# Altium PCB CTRL V5.2.PcbDoc
Units mil, origin at the board's own origin, x right, y up, seen from the top; angles counter-clockwise.
Board outline 1988.19 x 1466.54 mil, 2 copper layers (Top Layer, Bottom Layer); 85 components, 71 nets, 377 pads, 119 vias.
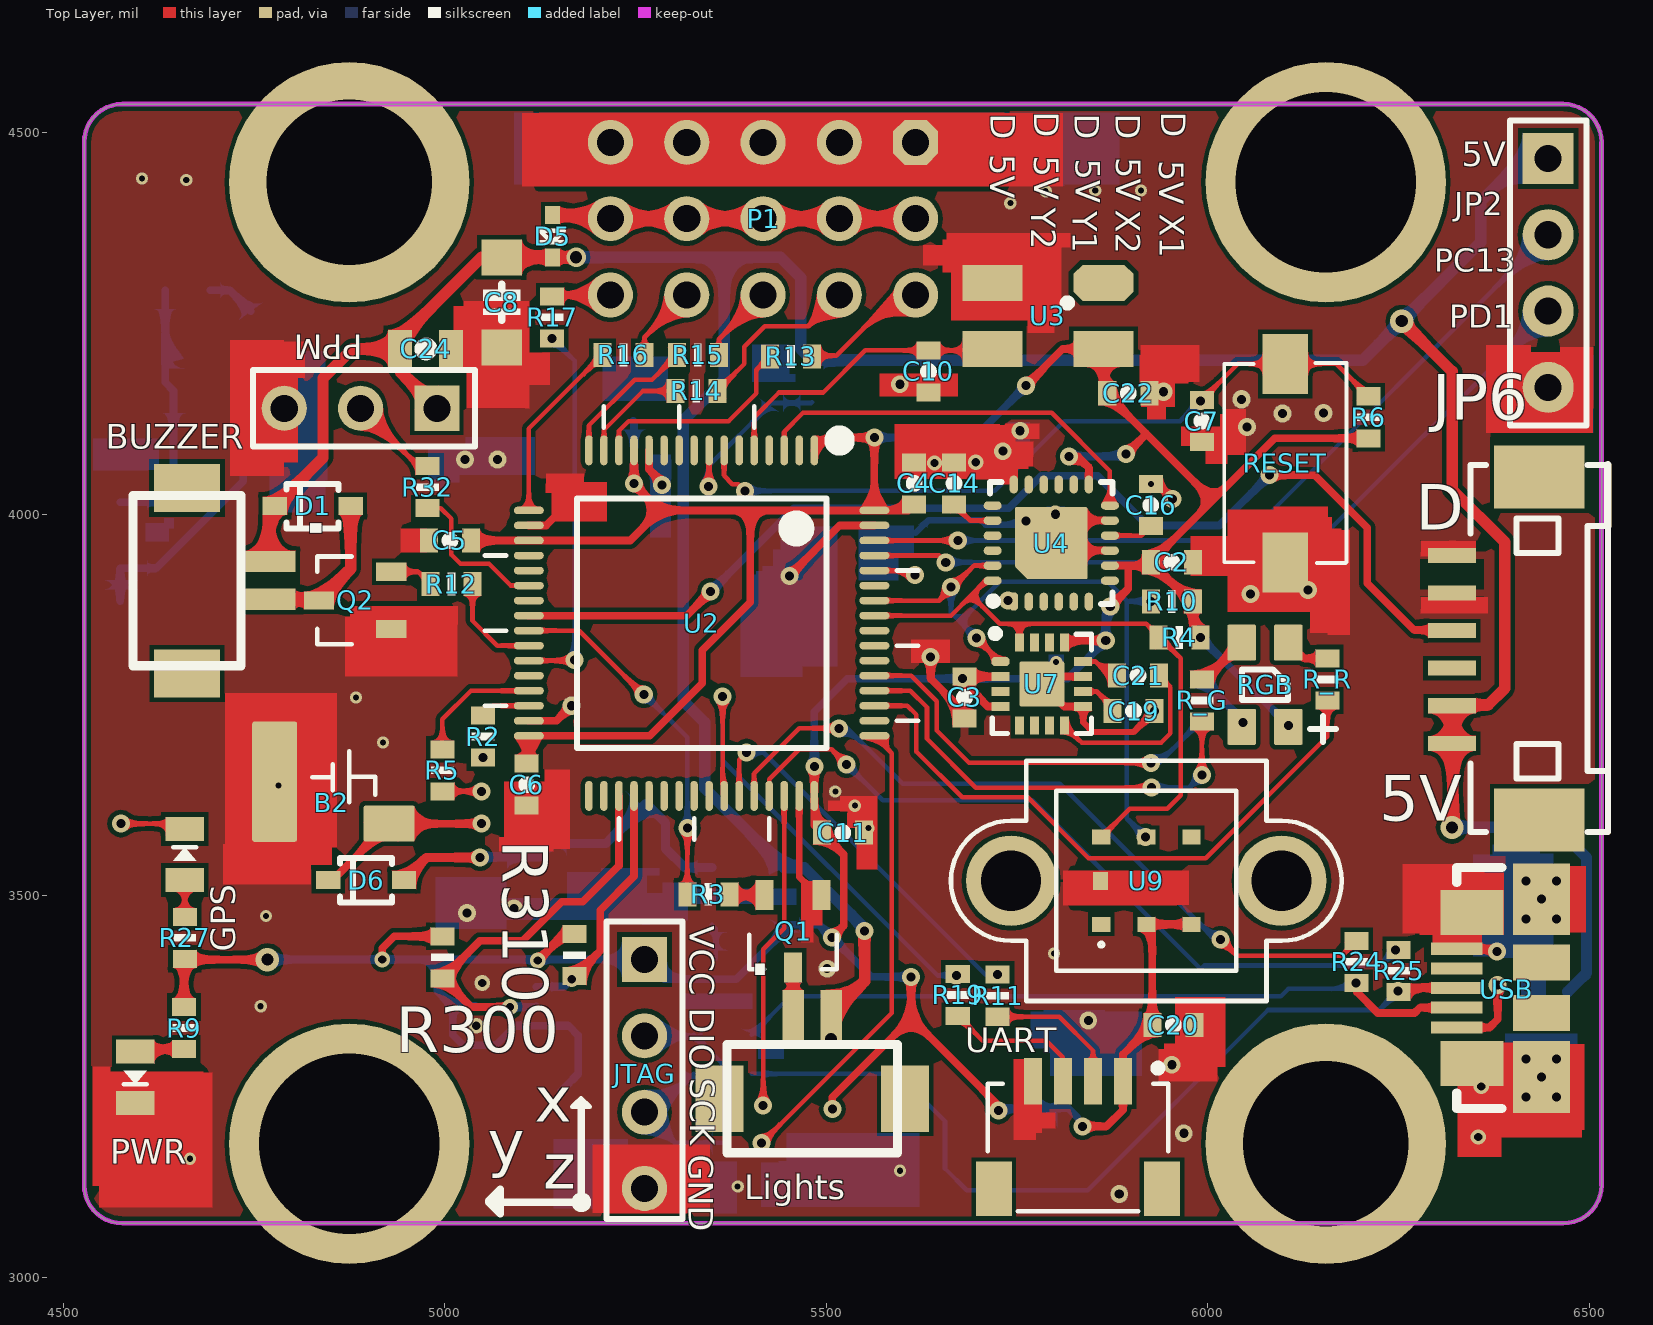
[diagram p0: Top Layer view]
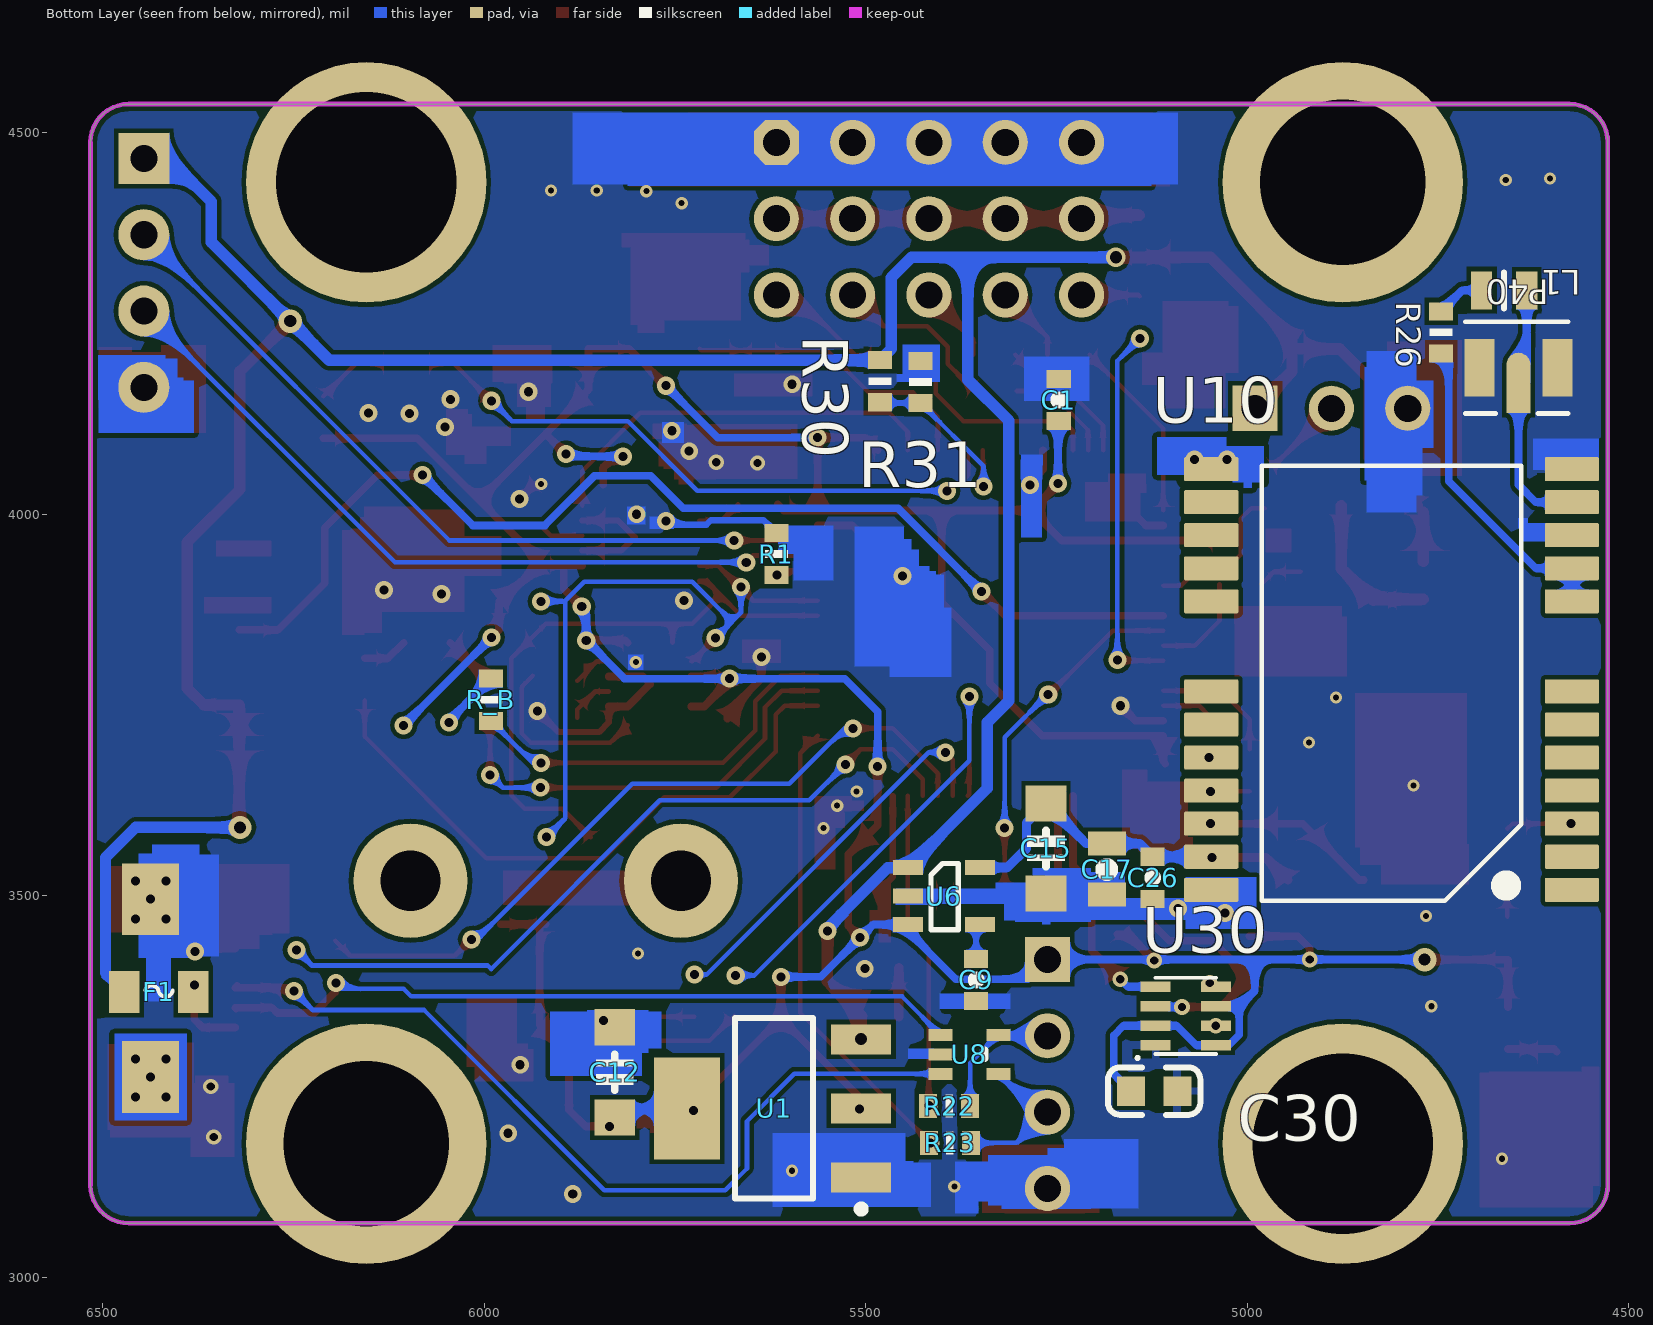
[diagram p1: Bottom Layer view, seen from below]

## Layer stack, top to bottom
Top Solder: solder mask 0.4, Solder Resist, Dk 3.5
Top Layer: signal copper 1.4
Dielectric1: dielectric 12.6, FR-4, Dk 4.8
Bottom Layer: signal copper 1.4
Bottom Solder: solder mask 0.4, Solder Resist, Dk 3.5

## Board outline
4527.56,3120.87 ccw(c4577.56,3120.87) 4577.56,3070.87 6465.75,3070.87 ccw(c6465.75,3120.87) 6515.75,3120.87 6515.75,4487.4 ccw(c6465.75,4487.4) 6465.75,4537.4 4577.56,4537.4 ccw(c4577.56,4487.4) 4527.56,4487.4

## Design rules (kind name [scope] priority, off if disabled: settings)
Clearance [All] p1: gap=6
ComponentClearance [All] p1: gap=1 collisioncheckmode=3 verticalgap=1 showdistances=FALSE
HoleSize [All] p1: absolutevalues=TRUE maxlimit=500 minlimit=1 maxpercent=80.000 minpercent=20.000
PolygonConnect IPEX [InComponent('P40')] p1: connectstyle=Direct reliefconductorwidth=10 reliefentries=4 polygonreliefangle="90 Angle" airgapwidth=10
PolygonConnect via [isvia] p2: connectstyle=Direct reliefconductorwidth=10 reliefentries=4 polygonreliefangle="90 Angle" airgapwidth=10
PolygonConnect [All] p3: connectstyle=Relief reliefconductorwidth=10 reliefentries=4 polygonreliefangle="90 Angle" airgapwidth=10
RoutingVias [All] p1: holewidth=11.81 width=23.62 viastyle="Through Hole" minholewidth=6.81 minwidth=10.62 maxholewidth=20.81 maxwidth=50.62
SolderMaskExpansion [All] p1: expansion=4
Width 5V [InNet('5V')] p1: maxlimit=15 minlimit=8 preferedwidth=10
Width PURE3V3 [InNet('PURE_3V3')] p2: maxlimit=15 minlimit=8 preferedwidth=10
Width 3V3 [InNet('3V3')] p3: maxlimit=20 minlimit=6 preferedwidth=8
Width [All] p4: maxlimit=157.48 minlimit=6 preferedwidth=6
28 further rules are at their usual default settings.

## Components (designator, comment, footprint, x,y, rotation, side; value= is the part's Value field where it differs from the comment)
B2 "XH414" XH414 4846.17,3667.49 r90 top
BUZZER "DF13C-2P" DF13C-2P-1.25V 4733.27,3913.39 r270 top
C1 "0.1uF" 0603-CAP 5247.05,4149.61 r90 bottom
C2 "0.1uF" 0603-CAP 5952.76,3937.01 r0 top
C3 "0.1uF" 0603-CAP 5681.1,3759.84 r90 top
C4 "0.1uF" 0603-CAP 5615.16,4040.35 r270 top
C5 "0.1uF" 0603-CAP 5006.89,3965.55 r0 top
C6 "0.1uF" 0603-CAP 5107.28,3645.67 r270 top
C7 "0.1uF" 0603-CAP 5992.13,4122.05 r90 top
C8 "10uF" TAJ-A(1206)[3216] 5074.8,4277.56 r270 top
C9 "0.1uF" 0603-CAP 5355.31,3389.76 r270 bottom
C10 "22pF" 0603-CAP 5633.86,4187.01 r90 top
C11 "0.1uF" 0603-CAP 5521.65,3582.68 r180 top
C12 "10uF" TAJ-A(1206)[3216] 5828.74,3268.7 r90 bottom
C14 "0.1uF" 0603-CAP 5667.32,4040.35 r90 top
C15 "10uF" TAJ-A(1206)[3216] 5263.78,3562.01 r270 bottom
C16 "0.1uF" 0603-CAP 5925.2,4011.81 r90 top
C17 "1uF" 0805-CAP 5184.06,3534.45 r90 bottom
C19 "0.1uF" 0603-CAP 5902.56,3742.12 r180 top
C20 "0.1uF" 0603-CAP 5954.72,3330.71 r180 top
C21 "0.1uF" 0603-CAP 5908.46,3788.39 r180 top
C22 "0.1uF" 0603-CAP 5895.67,4158.46 r180 top
C24 "0.1uF" 0805-CAP 4975.39,4216.54 r180 top
C26 "0.1uF" 0603-CAP 5124.02,3523.62 r90 bottom
C30 "C_0603" C_0603 5122.05,3244.09 r180 bottom
D1 "IN5819" SOD-323 4826.77,4010.83 r180 top
D5 "1N4148" SOD-523 5140.75,4364.17 r270 top
D6 "SOD-323" SOD-323 4896.65,3520.67 r180 top
F1 "FUSE" 0805-FUS 6426.18,3374.02 r180 bottom
GPS "LED" 0805-LED 4659.45,3554.6 r270 top
JP2 "HDR-1X4" HDR-1X4 6445.87,4466.14 r270 top
JP6 "HDR-1X6" "TX1.25 SMD-4P" 6434.06,3773.62 r90 top
JTAG "PIN HDR 1x4" PIN4*1 5261.81,3416.54 r270 top
L1 "value" 0805-IND 4663.39,4293.31 r180 bottom
Lights "DF13C-2P" DF13C-2P-1.25V 5481.3,3305.12 r0 top
P1 "PIN3X5" "PIN HDR3X5" 5617.13,4487.2 r180 top
P40 "IPEX" IPEX 4644.69,4191.93 r270 bottom
PPM "PIN HDR 1X3" PIN3*1 4989.76,4138.78 r180 top
PWR "LED" 0805-LED 4594.49,3261.81 r90 top
Q1 "2N3904" SOT-23 5456.69,3453.74 r180 top
Q2 "2N3904" SOT-23 4882.87,3886.81 r90 top
R1 "10K" 0603-Res 5617.13,3947.83 r270 bottom
R2 "510" 0603-Res 5050.2,3708.66 r270 top
R3 "10K" 0603-Res 5345.47,3501.97 r0 top
R4 "2.2K" 0603-Res 5962.6,3838.58 r0 top
R5 "510" 0603-Res 4997.05,3664.37 r270 top
R6 "10K" 0603-Res 6210.63,4126.97 r90 top
R9 "220" 0603-Res 4658.47,3326.77 r270 top
R10 "2.2K" 0603-Res 5952.76,3885.83 r0 top
R11 "22" 0603-Res 5724.41,3369.09 r90 top
R12 "10K" 0603-Res 5008.86,3908.46 r0 top
R13 "220" 0603-Res 5453.74,4206.69 r180 top
R14 "220" 0603-Res 5329.72,4161.42 r180 top
R15 "220" 0603-Res 5331.69,4208.66 r180 top
R16 "220" 0603-Res 5234.25,4208.66 r180 top
R17 "220" 0603-Res 5140.75,4257.87 r270 top
R19 "22" 0603-Res 5672.24,3370.08 r90 top
R22 "22" 0603-Res 5390.75,3224.41 r0 bottom
R23 "22" 0603-Res 5389.76,3176.18 r0 bottom
R24 "22" 0603-Res 6194.88,3413.39 r90 top
R25 "22" 0603-Res 6250,3401.57 r90 top
R26 "100" 0603-Res 4746.06,4238.19 r90 bottom
R27 "200" 0603-Res 4659.45,3444.88 r270 top
R30 "3.3K" 0603-Res 5481.3,4174.21 r270 bottom
R31 "1.7K" 0603-Res 5428.15,4173.23 r90 bottom
R32 "22" 0603-Res 4977.36,4035.43 r90 top
R300 "2.2K" 0603-Res 4997.05,3419.29 r90 top
R310 "2.2K" 0603-Res 5170.28,3422.24 r90 top
R_B "220" 0603-Res 5991.14,3756.89 r270 bottom
R_G "220" 0603-Res 5992.13,3755.91 r270 top
R_R "470" 0603-Res 6156.5,3783.46 r270 top
RESET "KEY_2PIN" KEY-SMD-2P-1 6101.38,4066.93 r90 top
RGB "3528LED" 1210-RGBLED 6074.8,3776.58 r90 top
U1 "AMS1117-3.3" SOT-223 5620.08,3221.46 r90 bottom
U2 "STM32F103RCT6" LQFP-64-S 5336.61,3857.28 r180 top
U3 "5032-8M" XTAL-5032-4P 5760.83,4196.85 r180 top
U4 "MPU6050" QFN-24 5794.78,3962.1 r0 top
U6 "RT9193" SOT23-5 5394.69,3499.02 r270 bottom
U7 "HMC5883" QFN-16-L 5782.48,3777.56 r270 top
U8 "ESDA6V1W5(Eb1)" SOT323-5L 5364.17,3292.32 r270 bottom
U9 "BMP180" BMP180-WITHSHELL 5919.29,3519.68 r90 top
U10 "NEO-6" NEO-6 4811.02,3783.46 r90 bottom
U30 "FBM320\BMP280\SPL06" LGA-2_5X2MM 5080.71,3342.52 r0 bottom
UART "SH1.0-4P" "SH1.0 S-W-4P" 5829.72,3086.61 r0 top
USB "USB-MICRO" USB_MICRO 6437.01,3379.43 r180 top

## Footprints (in the part's own frame and the unit in brackets; to place one, negate y for a bottom-side part, rotate by r counter-clockwise, add the part's x,y. Pads: shape width x height; smd on the part's side, far side on the other; paste and mask are expansions set on the pad)
0603-CAP [mm] "0603[1608]-CAP"
  rect 0.6x0.8 smd: 1(-0.7,0) 2(0.7,0)
  silkscreen extent -0.13,-0.13 0.13,0.13, body extent -0.8,-0.4 0.8,0.4, height 0.8
0603-Res [mm] "贴片电阻0603"
  rect 0.6x0.8 smd: 1(-0.7,0) 2(0.7,0)
  silkscreen extent -0.13,-0.38 0.13,0.38, body extent -0.8,-0.4 0.8,0.4, height 0.45
0805-CAP [mm] "无极性电容"
  rect 0.8x1.27 smd: 1(-0.838,0) 2(0.862,0)
  silkscreen extent -0.13,-0.13 0.13,0.13, body extent -1,-0.61 1,0.59, height 0.95
0805-FUS [mil] "贴片保险丝"
  rect 40x55 smd: 1(-45,0) 2(45,0)
  silkscreen extent -18,-6 18,8, body extent -39,-24 39,24, height 20
0805-IND [mm] "贴片电阻0805"
  rect 0.7x1.27 smd: 1(-0.75,0) 2(0.75,0)
  silkscreen extent 0,-0.6 0,0.6, body extent -1,-0.6 1,0.6, height 1
0805-LED [mm] "贴片LED0805"
  rect 0.8x1.27 smd: A(0.862,0) C(-0.838,0)
  silkscreen extent -0.23,-0.38 0.23,0.38, body extent -1.01,-0.62 1.01,0.63, height 1.1
1210-RGBLED [mm] "3528/1210/3225-4PinRGB"
  rrect10% 1.2x0.95 smd: B(-1.4,0.775) G(1.4,0.775) R(1.4,-0.775) VCC(-1.4,-0.775)
  silkscreen extent -1.9,-2.36 0.51,0.76, body extent -1.75,-1.4 1.75,1.4, height 1.9
BMP180-WITHSHELL [mm]
  round 3 / inner round 3 / far side round 3.8 hole 2 unplated: 0(0,4.5) 0(0,-4.5)
  rect 0.5x0.6 smd: 1(-1.45,1.5) 2(-1.45,0) 3(-1.45,-1.5) 4(1.45,-1.5) 5(1.45,0) 6(1.45,1.5)
  rect 0.6x0.5 smd: 7(0,1.525)
  silkscreen extent -4,-6.5 4,6.5, body extent -4,-6.48 4,6.48, height 3
C_0603 [mm]
  rect 0.93x0.98 smd: 1(-0.77,0) 2(0.77,0)
  silkscreen extent -1.53,-0.79 1.54,0.79, body extent -0.8,-0.4 0.8,0.4, height 0.3
DF13C-2P-1.25V [mil] "DF13C-2P-1.25V"
  rect 28x71 smd: 1(-24.61,36) 2(25,36)
  rect 63x87 smd: M$0(122,-70.87) M$1(-121.06,-70.87)
  silkscreen extent -111,-142 112,0, body extent -141,-200 141,56, height 141
HDR-1X4 [mm] "排针，4脚"
  rect 1.7x1.7 hole 0.9: 1(0,0)
  round 1.7 hole 0.9: 2(2.54,0) 3(5.08,0) 4(7.62,0)
  silkscreen extent -1.27,-1.27 8.89,1.27, body extent -1.27,-1.27 8.89,1.27, height 8.5
IPEX [mm] "IPEX天线座"
  oval 1x0.8 smd: ANT(0,0)
  rect 1.5x0.8 smd: ANT(0.762,0)
  rect 1.9x1 smd: GND(0,-1.3) GND(0,1.3)
  silkscreen extent -1.52,-1.78 1.52,1.65, body extent -1.55,-1.5 1.55,1.5, height 1.25
KEY-SMD-2P-1 [mil] "贴片内引脚按键"
  rect 78.74x60 smd: 1(-130,0) 2(130,0)
  silkscreen extent -131,-80 131,80, body extent -120,-73 120,73, height 98
LGA-2_5X2MM [mm]
  rect 1x0.35 smd: 1(1.001,0.975) 2(1.001,0.325) 3(1.001,-0.325) 4(1.001,-0.975) 5(-1.001,-0.975) 6(-1.001,-0.325) 7(-1.001,0.325) 8(-1.001,0.975)
  silkscreen extent -1.02,-1.27 1.65,1.45, body extent -1.09,-1.35 1.09,1.31, height 0.9
LQFP-64-S [mm] "14*14*1.4(长宽高，除引脚）"
  oval 0.25x1 smd: 1(-3.75,-5.75) 2(-3.25,-5.75) 3(-2.75,-5.75) 4(-2.25,-5.75) 5(-1.75,-5.75) 6(-1.25,-5.75) 7(-0.75,-5.75) 8(-0.25,-5.75) 9(0.25,-5.75) 10(0.75,-5.75) 11(1.25,-5.75) 12(1.75,-5.75) 13(2.25,-5.75) 14(2.75,-5.75) 15(3.25,-5.75) 16(3.75,-5.75) 33(3.75,5.75) 34(3.25,5.75) 35(2.75,5.75) 36(2.25,5.75) 37(1.75,5.75) 38(1.25,5.75) 39(0.75,5.75) 40(0.25,5.75) 41(-0.25,5.75) 42(-0.75,5.75) 43(-1.25,5.75) 44(-1.75,5.75) 45(-2.25,5.75) 46(-2.75,5.75) 47(-3.25,5.75) 48(-3.75,5.75)
  oval 1x0.25 smd: 17(5.75,-3.75) 18(5.75,-3.25) 19(5.75,-2.75) 20(5.75,-2.25) 21(5.75,-1.75) 22(5.75,-1.25) 23(5.75,-0.75) 24(5.75,-0.25) 25(5.75,0.25) 26(5.75,0.75) 27(5.75,1.25) 28(5.75,1.75) 29(5.75,2.25) 30(5.75,2.75) 31(5.75,3.25) 32(5.75,3.75) 49(-5.75,3.75) 50(-5.75,3.25) 51(-5.75,2.75) 52(-5.75,2.25) 53(-5.75,1.75) 54(-5.75,1.25) 55(-5.75,0.75) 56(-5.75,0.25) 57(-5.75,-0.25) 58(-5.75,-0.75) 59(-5.75,-1.25) 60(-5.75,-1.75) 61(-5.75,-2.25) 62(-5.75,-2.75) 63(-5.75,-3.25) 64(-5.75,-3.75)
  silkscreen extent -7.21,-7.21 7.21,7.21, body extent -6,-6 6,6, height 1.45
NEO-6 [mm] "GPS_NEO-6_16X12.2"
  rrect10% 0.8x1.8 smd: 1(-7,-6) 2(-5.9,-6) 3(-4.8,-6) 4(-3.7,-6) 5(-2.6,-6) 6(-1.5,-6) 7(-0.4,-6) 8(2.6,-6) 9(3.7,-6) 10(4.8,-6) 11(5.9,-6) 12(7,-6) 13(7,6) 14(5.9,6) 15(4.8,6) 16(3.7,6) 17(2.6,6) 18(-0.4,6) 19(-1.5,6) 20(-2.6,6) 21(-3.7,6) 22(-4.8,6) 23(-5.9,6) 24(-7,6)
  silkscreen extent -7.37,-4.32 7.11,4.32, body extent -8.3,-6.18 8.3,6.18, height 2.64
PIN3*1 [mm]
  rect 1.5x1.5 hole 0.9: 1(0,0)
  round 1.5 hole 0.9: 2(2.54,0) 3(5.08,0)
  silkscreen extent -1.27,-1.27 6.12,1.27, body extent -1.27,-1.27 6.1,1.27, height 4
PIN4*1 [mm]
  rect 1.5x1.5 hole 0.9: 1(0,0)
  round 1.5 hole 0.9: 2(2.54,0) 3(5.08,0) 4(7.62,0)
  silkscreen extent -1.27,-1.27 8.64,1.27, body extent -1.27,-1.27 8.64,1.27, height 4
"PIN HDR3X5" [mm]
  oct 1.5x1.5 hole 0.9: 1(0,0)
  round 1.5 hole 0.9: 2(0,2.54) 3(0,5.08) 4(2.54,0) 5(2.54,2.54) 6(2.54,5.08) 7(5.08,0) 8(5.08,2.54) 9(5.08,5.08) 10(7.62,0) 11(7.62,2.54) 12(7.62,5.08) 13(10.16,0) 14(10.16,2.54) 15(10.16,5.08)
  body extent -1.27,-1.27 11.43,6.35, height 7.58
QFN-16-L [mm] "3x3,long lead"
  oct 0.3x0.6 smd: 1(-0.75,-1.375)
  rect 0.3x0.6 smd: 2(-0.25,-1.375) 3(0.25,-1.375) 4(0.75,-1.375) 9(0.75,1.375) 10(0.25,1.375) 11(-0.25,1.375) 12(-0.75,1.375)
  rect 0.6x0.3 smd: 5(1.375,-0.75) 6(1.375,-0.25) 7(1.375,0.25) 8(1.375,0.75) 13(-1.375,0.75) 14(-1.375,0.25) 15(-1.375,-0.25) 16(-1.375,-0.75)
  rrect10% 1.5x1.5 smd: 17(0,0)
  silkscreen extent -1.81,-1.68 1.65,1.65, body extent -1.55,-1.55 1.55,1.55, height 0.89
QFN-24 [mm]
  oct 0.28x0.6 smd: 1(-1.25,-1.95)
  oval 0.28x0.6 smd: 2(-0.75,-1.95) 3(-0.25,-1.95) 4(0.25,-1.95) 5(0.75,-1.95) 6(1.25,-1.95) 13(1.25,1.95) 14(0.75,1.95) 15(0.25,1.95) 16(-0.25,1.95) 17(-0.75,1.95) 18(-1.25,1.95)
  oval 0.6x0.28 smd: 7(1.95,-1.25) 8(1.95,-0.75) 9(1.95,-0.25) 10(1.95,0.25) 11(1.95,0.75) 12(1.95,1.25) 19(-1.95,1.25) 20(-1.95,0.75) 21(-1.95,0.25) 22(-1.95,-0.25) 23(-1.95,-0.75) 24(-1.95,-1.25)
  rrect10% 0.6x2 smd: 25(-0.9,0.2)
  rrect10% 0.6x0.6 smd rot 45: 25(-0.787,-0.787)
  rrect10% 2x0.6 smd: 25(0.2,-0.9)
  rrect5% 2x2 smd: 25(0.2,0.2)
  silkscreen extent -2.06,-2.06 2.03,2.03, body extent -2,-2 2,2, height 0.9
"SH1.0 S-W-4P" [mm]
  rect 1.2x1.8 smd: 0(-2.8,0.75) 0(2.8,0.75)
  rect 0.6x1.55 smd: 1(1.5,4.325) 2(0.5,4.325) 3(-0.5,4.325) 4(-1.5,4.325)
  silkscreen extent -3,0 3,4.89, body extent -3,0 3,4.95, height 2.92
SOD-323 [mil] "塑封体尺寸1.25x1.7mm"
  rect 32x24 smd: A(-50.01,-0.01) C(49.21,-0.01)
  silkscreen extent -34,-29 34,29, body extent -51,-26 51,26, height 39
SOD-523 [mm] "塑封体0.8x1.2mm"
  rect 0.6x0.5 smd: A(-0.7,0.019) C(0.7,0.019)
  silkscreen extent -0.18,-0.43 0.2,0.43, body extent -0.8,-0.4 0.8,0.4, height 0.65
SOT23-5 [mm]
  rect 0.5x1 smd: 1(-0.965,-1.27) 2(-0.015,-1.27) 3(0.935,-1.27) 4(0.935,1.13) 5(-0.965,1.13)
  silkscreen extent -1.1,-0.5 1.1,0.4, body extent -1.47,-1.47 1.43,1.33, height 1.09
SOT323-5L [mm] "1.2x2mm(except pins)"
  rect 0.4x0.8 smd: 1(-0.65,-0.965) 2(0,-0.965) 3(0.65,-0.965) 4(0.65,0.965) 5(-0.65,0.965)
  silkscreen extent -0.13,0.51 0.13,0.51, body extent -1.05,-1.05 1.05,1.05, height 1
SOT-23 [mm] "左下角起逆时针1,2,3,(小23)，塑封宽度1.3mm"
  rect 0.6x1 smd: 1(-0.946,-1.196) 2(0.959,-1.196) 3(0.005,1.214)
  silkscreen extent -1.45,0.12 1.47,1.26, body extent -1.47,-1.35 1.53,1.29, height 1.08
SOT-223 [mm]
  rect 1x2 smd: 1(-2.3,-2.9) 2(0,-2.9) 3(2.3,-2.9)
  rect 3.4x2.2 smd: 4(0,2.9)
  silkscreen extent -3.47,-3.02 3,1.3, body extent -3.25,-3.48 3.25,3.48, height 1.65
TAJ-A(1206)[3216] [mm] "tantalum cap,1206[3216]1.6mmx3.2mmx1.8mm"
  rect 1.2x1.35 smd: A(-1.5,0) C(1.5,0)
  silkscreen extent -0.6,-0.63 0.6,0.63, body extent -1.7,-0.84 1.7,0.84, height 1.71
"TX1.25 SMD-4P" [mm] "4脚贴片，长：10.25mm，宽：4.4mm，高：3.5mm"
  rect 2.1x3 smd: 0(-4.425,0) 0(6.985,0)
  rect 0.5x1.6 smd: 1(-1.875,2.9) 2(-0.625,2.9) 3(0.625,2.9) 4(1.875,2.9) 5(3.125,2.9) 6(4.375,2.9)
  silkscreen extent -4.83,-2.29 7.39,2.29
USB_MICRO [mil] "贴片micro USB"
  rect 67x15.75 smd: D+(111,0) D-(111,26) GND(111,-51.18) ID(111,-25.59) VBUS(111,52)
  round 11.81 hole 11.81: GND(-20,143.14) GND(-20,93.14) GND(-20,-90) GND(-20,-140) GND(20,143.14) GND(20,93.14) GND(20,-90) GND(20,-140)
  rect 75x94 hole 11.81: GND(0,117) GND(0,-116.14)
  rect 83x59 smd: GND(91,99) GND(91,-98.42)
  rect 75x47 smd: ""(0,33) ""(0,-32.97)
  silkscreen extent 52,-157 111,158, body extent -99,-157 114,157, height 105
XH414 [mil] "XH414-φ4.75金属贴片法拉电容"
  rrect10% 157.48x59.06 smd: GND(-18,69)
  rrect10% 47.24x66.93 smd: VCC(-73,-81)
  silkscreen extent -45,-63 22,20, body extent -97,-97 92,92, height 63
XTAL-5032-4P [mm] "5032晶振"
  oct 2x1.2 smd: 1(-2.6,-2.7)
  rect 2x1.2 smd: 2(1.1,-2.7) 3(1.1,-0.5) 4(-2.6,-0.5)
  silkscreen extent -1.52,-2.16 -1.27,-1.91, body extent -3.3,-3.2 1.71,0.01, height 1.12

## Part data
B2: "XH414贴片法拉电容φ4.7"
BUZZER: library part "PIN HDR 1x2", "DF13C-2PHeader, 2-Pin"
C1 C2 C3 C4 C5 C6 C7 C9 C10 C11 C14 C16 C17 C19 C20 C21 C22 C24 C26: library part Cap, "无极性Cap"
C8 C12 C15: library part Cap_p, "有极性Cap"
D1: library part DIODE, "续流"
D5 D6: library part DIODE, "Diode"
F1: "熔断器"
JP2: library part "Header 4", "4P接插件"
JP6: library part "Header 6", "6P接插件"
JTAG: "1x4-Pin-connector-JTAG"
L1: library part Inductor, "电感"
Lights: library part "PIN HDR 1x2", "Header, 2-Pin"
P1: library part "PIN HDR3x5"
P40: "IPEX天线座"
Q1 Q2: library part NPN, "NPN三极管"
R1 R3 R4 R6 R9 R10 R11 R12 R13 R14 R15 R16 R17 R19 R22 R23 R24 R25 R26 R27 R30 R31 R32 R300 R310 R_B R_G R_R: library part Res, "Resistor"
R2 R5: library part RES, "Resistor"
RGB: library part LED-RGB-4PIN
U1: library part AMS1117
U3: library part XTAL-5032-4P, "4PIN-5032晶振"
U4: "dscrps三轴陀螺仪加速度计"
U7: "地磁计"
U8: "ESD protection"
U9: "Special BOSCH pressure sensor"
U10: "GPS"
U30: library part FBM320, "气压计"
UART: library part "PIN HDR 1x4", "SH1.0-4P 1x4-Pin-connector"
USB: library part USB, "USB"

## Free pads (board coordinates)
  round 314.96 hole 236.22 unplated: 0(4875,3175)
  round 314.96 hole 216.54: 0(4875,4434.84) 0(6154.53,3175)
  round 314.96 hole 236.22: 0(6154.53,4434.84)

## Via types
v1: diameter 23.62, hole 11.81, Top Layer to Bottom Layer, 74 vias
v2: diameter 16, hole 8, Top Layer to Bottom Layer, 20 vias
v3: diameter 23, hole 12, Top Layer to Bottom Layer, 10 vias
v4: diameter 20, hole 10.81, Top Layer to Bottom Layer, 5 vias
v5: diameter 20.62, hole 10.81, Top Layer to Bottom Layer, 5 vias
v6: diameter 30.62, hole 15.81, Top Layer to Bottom Layer, 3 vias
v7: diameter 25.62, hole 15.81, Top Layer to Bottom Layer, 2 vias

## Nets (pads, with @x,y where several pads share a name; then routed paths per layer and width w, separated by ;. In a path a pad name is that pad's centre, name@x,y a point inside that pad or via, vN(x,y) a via of type N, cw(c..) or ccw(c..) an arc to the next point about the centre after c; other vN are vias at no path point)
3V3: C1.1 C2.1 C3.2 C4.2 C5.2 C6.1 C11.2 C12.A C20.2 C22.2 C30.1 JTAG.1 R4.2 R6.1 R9.1 R10.2 R27.2 R300.2 R310.2 RGB.VCC U1.2 U1.4 U2.1 U2.13 U2.19 U2.32 U2.48 U2.64 U3.4 U4.8 U4.13 U6.3 U7.2 U7.4 U7.13 U9.2 U9.3 U30.2 U30.6 U30.8 UART.1 | length 6513.7
  Top Layer w10: R9.1 4658.46,3416.34 v6(4767.72,3416.34) ; v5(4918.31,3416.54) 4918.31,3431.1 4934.06,3446.85 R300.2 ; C5.2 U2.19 5243.11,3965.55 5282.48,4004.92 ; C6.1 5110.24,3676.18 U2.32 5268.7,3709.65 5337.6,3778.54 5337.6,3821.85 5400.59,3884.84 5400.59,4004.92 ; v5(5122.05,3415.35) 5156.5,3449.8 R310.2 ; U2.13 v1(5248.03,4040.35) 5248.03,4039.37 5282.48,4004.92 ; JTAG.1@5261.02,3417.32 JTAG.1 ; v1(5484.25,3669.29) U2.48 5484.25,3592.52 C11.2 5522.64,3554.13 5522.64,3460.63 v1(5507.38,3445.37) ; U2.1 5500.98,4100.39 v1(5562.99,4100.39) U2.64 ; v1(5507.87,3220.47) 5507.87,3236.22 5611.22,3339.57 ; v1(5611.22,3393.7) 5611.22,3339.57 ; C4.2 5607.28,4004.92 U2.64 ; v1(5725.39,3218.5) 5725.39,3225.39 5611.22,3339.57 ; U7.4 5711.62,3748.03 5681.1,3778.54 C3.2 U7.2 ; v1(5761.81,4168.31) 5810.04,4216.54 U3.4 5863.19,4163.39 C22.2 5868.11,4156.5 5918.31,4106.3 ; U7.13 5814.96,3834.65 v1(5866.14,3834.65) ; v1(5817.91,4075.79) 5829.72,4075.79 5843.99,4061.52 U4.13 ; v1(5835.63,3197.83) 5867.13,3197.83 5888.78,3219.49 UART.1 5888.78,3292.32 C20.2 U9.2@5927.17,3461.61 ; U4.8 5895.67,3932.57 ; v1(5872.05,3878.94) 5895.67,3902.56 5895.67,3932.57 ; v1(5892.72,4078.74) 5918.31,4104.33 5918.31,4106.3 ; U9.2 U9.3 ; C2.1@5924.71,3932.57 5895.67,3932.57 ; v1(5990.16,3838.58) 5980.32,3848.43 R10.2 5976.38,3885.83 C2.1 6006.4,4018.21 ; R6.1 6087.6,4099.41 6006.4,4018.21 ; 5282.48,4004.92 5400.59,4004.92 ; 5400.59,4004.92 U2.64 ; 5918.31,4106.3 6006.4,4018.21
  Bottom Layer w10: v6(4767.72,3416.34) 4767.91,3416.54 v5(4918.31,3416.54) 4990.16,3416.54 ; U30.6 5010.83,3355.32 ; v5@5121.06,3415.35 v5(5122.05,3415.35) ; v5@5121.06,3416.54 4990.16,3416.54 ; v5@5122.05,3416.54 JTAG.1 5287.6,3390.75 5381.89,3390.75 5444.69,3453.54 U6.3 5490.54,3462.21 v1(5507.38,3445.37) 5559.06,3393.7 v1(5611.22,3393.7) ; C30.1 5175.2,3266.93 5175.2,3316.93 5162.4,3329.72 U30.2 5092.52,3329.72 5066.93,3304.13 U30.8 5024.61,3304.13 5010.61,3318.13 5010.61,3341.39 5010.83,3341.61 5010.83,3355.32 ; C1.1 5248.03,4121.06 v1(5248.03,4040.35) ; v1(5484.25,3669.29) 5484.25,3741.14 5527.56,3784.45 v1(5678.15,3784.45) 5815.94,3784.45 v1(5866.14,3834.65) 5866.14,3873.03 v1(5872.05,3878.94) ; v1(5562.99,4100.39) 5693.9,4100.39 v1(5761.81,4168.31) ; U1.4 5816.93,3221.46 C12.A ; v1(5817.91,4075.79) v1@5892.72,4075.79 ; v1(5990.16,3838.58) v1(6105.31,3723.43) ; 4990.16,3416.54 4990.16,3375.98 5010.83,3355.32